# Altium PCB MODULE_2x1G_DUAL_MEDIA_V1.0.PcbDoc (part 2 of 3)
Units mm, origin at the board's own origin, x right, y up, seen from the top; angles counter-clockwise.
Board outline 87.3 x 95.5 mm, 4 copper layers (Top Layer, Int1 (GND), Int2 (PWR), Bottom Layer), stack 1.369 mm thick; 176 components, 128 nets, 819 pads, 303 vias.
Unrouted connection lines stored in the file: 38.
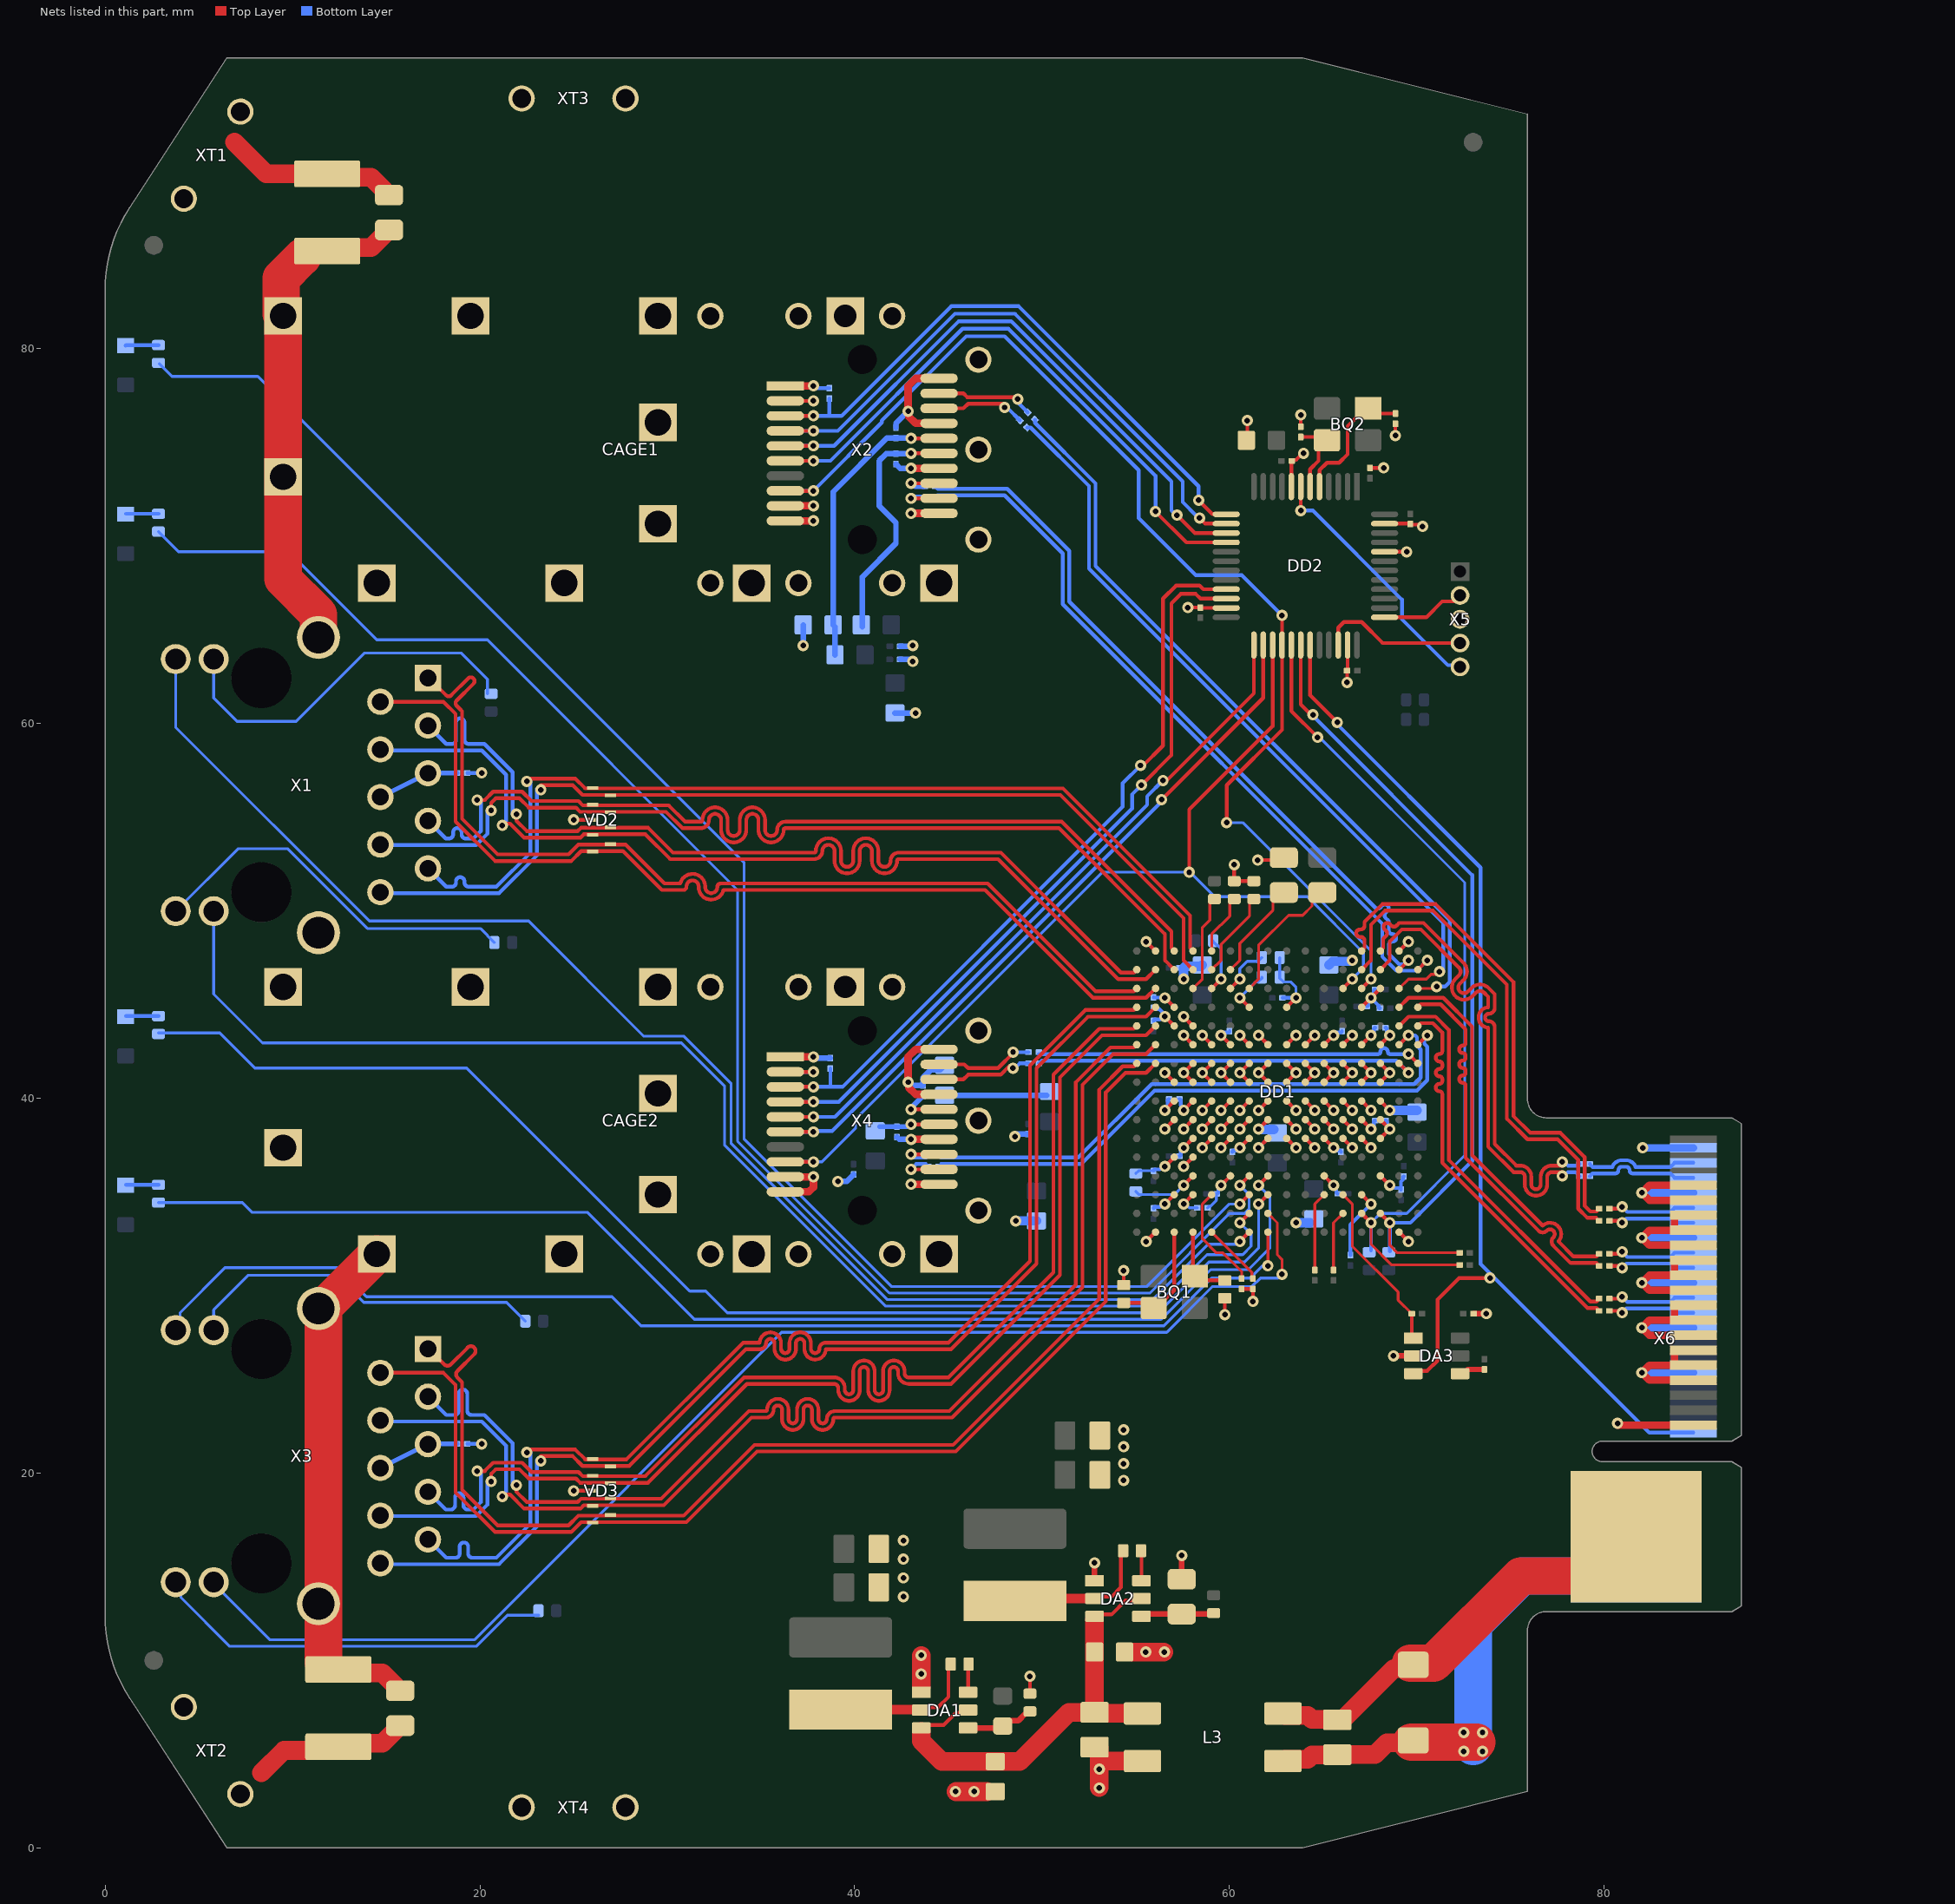
[diagram p4: the nets of this part, all layers, seen from the top]

## Via types
v1: diameter 0.6, hole 0.3, Top Layer to Bottom Layer, tented both sides, 303 vias

## Nets (pads, with @x,y where several pads share a name; then routed paths per layer and width w, separated by ;. In a path a pad name is that pad's centre, name@x,y a point inside that pad or via, vN(x,y) a via of type N, cw(c..) or ccw(c..) an arc to the next point about the centre after c; other vN are vias at no path point) (continued)
GND: C1.2 C2.2 C6.2 C7.2 C8.1 C9.2 C10.2 C11.2 C12.2 C13.2 C14.1 C15.2 C16.2 C17.1 C18.1 C19.1 C20.2 C21.2 C22.1 C23.1 C24.1 C25.2 C26.1 C27.1 C28.1 C29.2 C30.2 C31.1 C32.1 C33.1 C34.2 C35.2 C40.1 C41.2 C42.2 C43.2 C44.2 C46.1 C47.1 C52.1 C53.2 C54.2 C55.2 C56.2 C58.1 C59.1 C60.2 C61.1 C62.1 C63.2 C64.1 C65.1 C66.2 C67.2 C68.1 C69.2 C70.2 C71.2 DA1.1 DA2.1 DA3.2 DD1.B1 DD1.B16 DD1.C3 DD1.C5 DD1.C12 DD1.D5 DD1.D6 DD1.D7 DD1.D8 DD1.D9 DD1.D10 DD1.D11 DD1.D12 DD1.E6 DD1.E7 DD1.E8 DD1.E9 DD1.E10 DD1.E11 DD1.F4 DD1.F6 DD1.F7 DD1.F8 DD1.F9 DD1.F10 DD1.F11 DD1.G6 DD1.G7 DD1.G8 DD1.G9 DD1.G10 DD1.G11 DD1.H6 DD1.H7 DD1.H8 DD1.H9 DD1.H10 DD1.H11 DD1.J6 DD1.J7 DD1.J8 DD1.J9 DD1.J10 DD1.J11 DD1.J13 DD1.K6 DD1.K7 DD1.K8 DD1.K9 DD1.K10 DD1.K11 DD1.L4 DD1.L6 DD1.L7 DD1.L8 DD1.L9 DD1.L10 DD1.L11 DD1.M6 DD1.M7 DD1.M8 DD1.M9 DD1.M10 DD1.M11 DD1.N6 DD1.N7 DD1.N8 DD1.N9 DD1.N10 DD1.N11 DD1.N13 DD1.P4 DD1.P14 DD1.R1 DD1.R16 DD2.8 DD2.23 DD2.35 DD2.44 DD2.47 L3.4 R2.2 R4.2 R10.2 R25.2 R35.1 R37.1 R38.1 R43.1 R44.1 R45.1 R52.1 R54.2 VD2.3 VD3.3 X2.1 X2.9 X2.10 X2.11 X2.14 X2.17 X2.20 X4.1 X4.9 X4.10 X4.11 X4.14 X4.17 X4.20 X5.3 X6.1 X6.7 X6.9 X6.10 X6.11 X6.13 X6.15 X6.16 X6.17 X6.19 X6.21 X6.22 X6.23 X6.25 X6.27 X6.28 X6.29 X6.31 X6.33 X6.34 X6.40 | length 206.3
  Top Layer w0.2: v1(25,19.05) VD3.3@26.025,19.05 ; v1(25,54.85) VD2.3@26.025,54.85 ; R2.2@49.35,8.225 v1(49.35,9.15) ; C62.1@54.35,30.025 v1(54.35,30.8) ; v1(55.55,32.35) DD1.B1@56.05,32.85 ; v1(55.55,48.35) DD1.B16@56.05,47.85 ; v1(56.55,34.35) DD1.C3@57.05,34.85 ; v1(56.55,36.35) DD1.C5@57.05,36.85 ; v1(56.55,44.35) DD1.C12@57.05,43.85 ; v1(57.55,36.35) DD1.D5@58.05,36.85 ; v1(57.55,37.35) DD1.D6@58.05,37.85 ; v1(57.55,38.35) DD1.D7@58.05,38.85 ; v1(57.55,39.35) DD1.D8@58.05,39.85 ; v1(57.55,43.35) DD1.D11@58.05,42.85 ; v1(57.55,44.35) DD1.D12@58.05,43.85 ; v1(57.775,66.175) C69.2@58.45,66.175 ; DD1.D9@58.05,40.85 v1(57.55,41.35) DD1.D10@58.05,41.85 ; C69.2@58.475,66.15 DD2.23@59.825,66.15 ; v1(58.55,37.35) DD1.E6@59.05,37.85 ; v1(58.55,38.35) DD1.E7@59.05,38.85 ; v1(58.55,39.35) DD1.E8@59.05,39.85 ; v1(58.55,43.35) DD1.E11@59.05,42.85 ; DD1.E9@59.05,40.85 v1(58.55,41.35) DD1.E10@59.05,41.85 ; v1(59.55,35.35) DD1.F4@60.05,35.85 ; v1(59.55,37.35) DD1.F6@60.05,37.85 ; v1(59.55,38.35) DD1.F7@60.05,38.85 ; v1(59.55,39.35) DD1.F8@60.05,39.85 ; v1(59.55,43.35) DD1.F11@60.05,42.85 ; v1(59.75,28.45) C61.1@59.75,29.325 ; DD1.F9@60.05,40.85 v1(59.55,41.35) DD1.F10@60.05,41.85 ; v1(60.25,52.45) R44.1@60.25,51.575 R43.1@61.3,51.575 ; v1(60.55,37.35) DD1.G6@61.05,37.85 ; v1(60.55,38.35) DD1.G7@61.05,38.85 ; v1(60.55,39.35) DD1.G8@61.05,39.85 ; v1(60.55,43.35) DD1.G11@61.05,42.85 ; R52.1@60.65,29.825 R45.1@61.25,29.825 v1(61.25,29.15) ; C68.1@60.95,75.05 v1(60.95,76.15) ; DD1.G9@61.05,40.85 v1(60.55,41.35) DD1.G10@61.05,41.85 ; v1(61.5,52.7) 62.77,52.7 R38.1@62.9,52.83 ; v1(61.55,37.35) DD1.H6@62.05,37.85 ; v1(61.55,38.35) DD1.H7@62.05,38.85 ; v1(61.55,39.35) DD1.H8@62.05,39.85 ; v1(61.55,43.35) DD1.H11@62.05,42.85 ; DD1.H9@62.05,40.85 v1(61.55,41.35) DD1.H10@62.05,41.85 ; DD1.J6@63.05,37.85 v1(63.55,37.35) ; DD1.J7@63.05,38.85 v1(63.55,38.35) ; DD1.J8@63.05,39.85 v1(63.55,39.35) ; DD1.J9@63.05,40.85 v1(63.55,41.35) DD1.J10@63.05,41.85 ; DD1.J11@63.05,42.85 v1(63.55,43.35) ; DD1.J13@63.05,44.85 v1(63.55,45.35) ; DD2.8@63.3,72.625 C66.2@63.3,73.975 ; C66.2@63.325,74 63.375,74.05 63.55,74.05 v1@63.925,74.425 ; C65.1@63.8,75.825 v1(63.8,76.45) ; DD1.K6@64.05,37.85 v1(64.55,37.35) ; DD1.K7@64.05,38.85 v1(64.55,38.35) ; DD1.K8@64.05,39.85 v1(64.55,39.35) ; DD1.K9@64.05,40.85 v1(64.55,41.35) DD1.K10@64.05,41.85 ; DD1.K11@64.05,42.85 v1(64.55,43.35) ; DD1.L4@65.05,35.85 v1(65.55,35.35) ; DD1.L6@65.05,37.85 v1(65.55,37.35) ; DD1.L7@65.05,38.85 v1(65.55,38.35) ; DD1.L8@65.05,39.85 v1(65.55,39.35) ; DD1.L9@65.05,40.85 v1(65.55,41.35) DD1.L10@65.05,41.85 ; DD1.L11@65.05,42.85 v1(65.55,43.35) ; DD1.M6@66.05,37.85 v1(66.55,37.35) ; DD1.M7@66.05,38.85 v1(66.55,38.35) ; DD1.M8@66.05,39.85 v1(66.55,39.35) ; DD1.M9@66.05,40.85 v1(66.55,41.35) DD1.M10@66.05,41.85 ; DD1.M11@66.05,42.85 v1(66.55,43.35) ; v1(66.275,62.175) C70.2@66.275,62.8 ; C70.2@66.3,62.825 DD2.35@66.3,64.175 ; DD1.N6@67.05,37.85 v1(67.55,37.35) ; DD1.N7@67.05,38.85 v1(67.55,38.35) ; DD1.N8@67.05,39.85 v1(67.55,39.35) ; DD1.N9@67.05,40.85 v1(67.55,41.35) DD1.N10@67.05,41.85 ; DD1.N11@67.05,42.85 v1(67.55,43.35) ; DD1.N13@67.05,44.85 v1(67.55,45.35) DD1.P14@68.05,45.85 ; C67.2@67.5,73.625 v1(68.225,73.625) ; DD1.P4@68.05,35.85 v1(68.55,35.35) ; DD2.44@68.275,69.15 v1(69.45,69.15) ; DD2.47@68.275,70.65 C71.2@69.625,70.65 ; v1(68.85,75.35) C64.1@68.85,75.975 ; DD1.R1@69.05,32.85 v1(69.55,32.35) ; DD1.R16@69.05,47.85 v1(69.55,48.35) ; C71.2@69.65,70.625 69.675,70.6 70.2,70.6 v1(70.3,70.5)
  Top Layer w0.3: DA2.1@52.8,14.25 v1(52.8,15.2) ; R4.2@57.45,14.33 v1(57.45,15.6) ; v1(68.75,26.25) DA3.2@69.8,26.25 ; C60.2@73.025,28.5 v1(73.7,28.5)
  Top Layer w0.4: X4.10@36.3,35 37.55,35 37.8,35.25 v1(37.8,35.8) X4.9@36.3,35.8 ; X4.1@36.3,42.2 v1(37.8,42.2) ; X2.10@36.3,70.8 v1(37.8,70.8) ; X2.9@36.3,71.6 v1(37.8,71.6) ; X2.1@36.3,78 v1(37.8,78) ; v1(43,35.4) X4.11@44.5,35.4 ; v1(43,37.8) X4.14@44.5,37.8 ; v1(43,71.2) X2.11@44.5,71.2 ; v1(43,73.6) X2.14@44.5,73.6 ; X4.17@44.5,40.2 43.25,40.2 42.888,40.562 42.888,40.812 v1(42.85,40.85) 42.85,42.2 43.25,42.6 X4.20@44.5,42.6 ; X2.17@44.5,76 43.25,76 42.888,76.362 42.888,76.612 v1(42.85,76.65) 42.85,78 43.25,78.4 X2.20@44.5,78.4 ; v1@80.7,22.55 X6.1@84.75,22.55 ; X6.11@83.75,26.55 X6.9@83.75,25.75 ; X6.17@83.75,28.95 X6.15@83.75,28.15 ; X6.23@83.75,31.35 X6.21@83.75,30.55 ; X6.29@83.75,33.75 X6.27@83.75,32.95 ; X6.7@84.75,24.95 82.4,24.95 v1(82,25.35) 82.4,25.75 X6.9@83.75,25.75 ; X6.9@84.75,25.75 X6.9@83.75,25.75 ; X6.13@84.75,27.35 82.4,27.35 v1(82,27.75) 82.4,28.15 X6.15@83.75,28.15 ; X6.15@84.75,28.15 X6.15@83.75,28.15 ; X6.19@84.75,29.75 82.4,29.75 v1(82,30.15) 82.4,30.55 X6.21@83.75,30.55 ; X6.21@84.75,30.55 X6.21@83.75,30.55 ; X6.25@84.75,32.15 82.4,32.15 v1(82,32.55) 82.4,32.95 X6.27@83.75,32.95 ; X6.27@84.75,32.95 X6.27@83.75,32.95 ; X6.31@84.75,34.55 82.4,34.55 v1(82,34.95) 82.4,35.35 X6.33@84.75,35.35
  Top Layer w1: DA1.1@43.55,8.6 v1(43.55,9.275) v1@43.55,10.25 ; v1@45.4,3 v1(46.375,3) C1.2@47.05,3 ; C8.1@52.8,5.37 53,5.37 53.05,5.32 53.05,4.63 ; v1@53.05,3.22 v1(53.05,4.195) 53.05,4.63 ; C2.2@54.85,10.45 v1(55.525,10.45) v1@56.5,10.45 ; L3.4@55.35,4.63 53.05,4.63
  Bottom Layer w0.15: R54.2@55,35.975 55.15,36.125 C28.1@55.95,36.125 ; C63.2@58.825,34.15 58.9,34.225 58.975,34.225 59.3,34.55 59.3,34.875 C34.2@59.325,34.9 ; R37.1@62.675,47.5 R35.1@62.675,46.45 62.675,46.399 62.872,46.202 62.923,46.202 62.925,46.2 63.25,46.2 63.55,45.9 v1(63.55,45.35)
  Bottom Layer w0.2: C59.1@19.325,21.55 v1(20.1,21.55) ; C47.1@19.325,57.35 v1(20.1,57.35) ; v1(37.8,78) 37.908,78 38.033,77.875 R10.2@38.65,77.875 ; C33.1@55.95,34.125 55.95,34.15 56,34.2 56.025,34.2 56.292,34.2 56.442,34.35 v1(56.55,34.35) ; C28.1@55.95,36.125 55.95,36.15 56,36.2 56.025,36.2 56.292,36.2 56.442,36.35 v1(56.55,36.35) ; C19.1@55.95,44.125 55.95,44.15 56,44.2 56.025,44.2 56.292,44.2 56.442,44.35 v1(56.55,44.35) ; C16.2@55.95,44.825 55.95,44.8 56,44.75 56.25,44.75 v1@56.55,44.45 ; C24.1@57.325,36.9 57.35,36.9 57.4,36.95 57.4,36.975 57.4,37.242 57.529,37.371 57.55,37.392 v1@57.55,37.5 ; C21.2@57.325,39.95 57.35,39.95 57.4,39.9 57.4,39.875 57.4,39.608 57.55,39.458 v1@57.55,39.35 ; C34.2@59.325,34.9 59.35,34.9 59.4,34.95 59.4,34.975 59.4,35.242 59.529,35.371 59.55,35.392 v1@59.55,35.5 ; v1@59.4,43.35 59.508,43.35 59.529,43.371 59.658,43.5 59.925,43.5 59.95,43.5 60,43.55 C31.1@60,43.575 ; C26.1@60.15,37.125 60.15,37.15 60.2,37.2 60.225,37.2 60.492,37.2 60.596,37.304 60.642,37.35 v1@60.75,37.35 ; C29.2@62.825,45.35 v1(63.55,45.35) ; v1@65.35,37.35 65.458,37.35 65.504,37.304 65.608,37.2 65.875,37.2 65.9,37.2 65.95,37.15 C22.1@65.95,37.125 ; v1@65.4,43.35 65.508,43.35 65.529,43.371 65.658,43.5 C17.1@65.925,43.5 ; v1(65.55,35.35) 65.55,35.242 65.7,35.092 65.7,34.95 65.75,34.9 C30.2@65.775,34.9 ; C17.1@65.925,43.5 65.95,43.5 66,43.55 C17.1@66,43.575 ; C25.2@67.325,44.9 67.35,44.9 67.4,44.95 67.4,44.975 67.4,45.242 v1@67.529,45.371 ; v1@67.55,38.2 67.55,38.308 67.571,38.329 67.7,38.458 67.7,38.725 67.7,38.75 67.75,38.8 C11.2@67.775,38.8 ; v1@67.55,43.15 67.55,43.258 67.596,43.304 67.7,43.408 67.7,43.675 67.7,43.7 67.75,43.75 C13.2@67.775,43.75 ; v1@67.55,45.2 67.55,45.308 v1@67.571,45.329 ; v1@67.55,45.5 67.55,45.392 v1@67.529,45.371 ; C12.2@67.775,45.8 67.75,45.8 67.7,45.75 67.7,45.725 67.7,45.458 v1@67.571,45.329 ; C15.2@68.025,44.8 68,44.8 67.95,44.85 67.95,44.95 v1@67.571,45.329 ; v1(68.55,35.35) 68.658,35.35 68.808,35.2 C35.2@69.1,35.2 ; C35.2@69.15,35.125 69.15,35.15 C35.2@69.1,35.2 ; C20.2@69.3,35.825 69.25,35.775 69.25,35.65 69.15,35.55 69.15,35.2 C35.2@69.1,35.2 ; v1@67.529,45.371 v1(67.55,45.35) v1@67.571,45.329
  Bottom Layer w0.3: v1(37.25,64.15) C46.1@37.25,65.25 ; v1@37.881,42.2 37.956,42.125 R25.2@38.7,42.125 ; v1(39.1,35.55) 39.575,35.55 39.925,35.9 39.95,35.9 C53.2@39.95,35.925 ; C40.1@42.15,60.55 v1(43.25,60.55) ; C43.2@42.2,73.825 42.2,73.8 42.225,73.8 42.425,73.6 v1(43,73.6) ; C44.2@42.2,75.775 42.2,76 v1(42.85,76.65) ; C55.2@42.25,37.925 42.25,37.9 42.275,37.9 42.375,37.8 43.05,37.8 v1@43.1,37.75 ; C42.2@42.425,63.4 43.05,63.4 v1@43.1,63.35 ; C41.2@42.425,64.1 43.05,64.1 v1(43.1,64.15) ; v1(42.85,40.85) 42.931,40.85 43.106,40.675 C56.2@43.65,40.675 43.65,41.1 44.05,41.5 44.55,41.5 C58.1@44.8,41.75 ; v1@48.55,38 48.625,38.075 C54.2@49.25,38.075
  Bottom Layer w0.4: v1(82,25.35) X6.10@84.75,25.35 ; v1(82,27.75) X6.16@84.75,27.75 ; v1(82,30.15) X6.22@84.75,30.15 ; v1(82,32.55) X6.28@84.75,32.55 ; v1(82,34.95) X6.34@84.75,34.95 ; v1(82.05,37.35) X6.40@84.75,37.35
  Bottom Layer w0.5: v1(48.6,33.45) C52.1@49.7,33.45 ; v1(57.55,46.35) 57.55,46.941 57.641,47.032 58.482,47.032 C27.1@58.55,47.1 ; v1(61.55,38.35) 61.569,38.331 C18.1@62.369,38.331 ; v1(63.55,33.35) C23.1@64.3,33.35 ; C32.1@65.3,47.1 65.5,47.3 66.5,47.3 v1(66.55,47.35)
  other v1: 45.375,3 53.05,3.195 43.55,10.275 56.525,10.45 42.6,13.4 42.6,14.4 42.6,15.4 42.6,16.4 54.35,19.6 54.35,20.5 54.35,21.4 54.35,22.3 80.7,22.65 48.55,37.95 43.1,63.3 63.95,74.4
MDC: DD1.P2 DD2.30 R41.2 R53.1 | length 44.4
  Top Layer w0.15: v1(68.55,33.35) 68.55,32.15 68.95,31.75 R41.2@72.275,31.75
  Top Layer w0.2: DD2.30@63.8,64.175 63.8,61 v1@64.375,60.425 ; DD1.P2@68.05,33.85 v1(68.55,33.35)
  Bottom Layer w0.2: v1(64.45,60.45) 64.45,60.4 72.95,51.9 72.95,36.65 69.65,33.35 v1(68.55,33.35) R53.1@68.55,31.825
MDIO: DD1.N2 DD2.29 R42.2 R49.1 | length 46.1
  Top Layer w0.15: v1(67.55,33.35) 67.55,32.2 68.65,31.1 R42.2@72.275,31.1
  Top Layer w0.2: DD2.29@63.3,64.175 63.3,60.65 v1(64.7,59.25) ; DD1.N2@67.05,33.85 v1(67.55,33.35)
  Bottom Layer w0.15: v1(64.7,59.25) 64.8,59.25 72.55,51.5 72.55,36.95 69.45,33.85 68.05,33.85 v1(67.55,33.35)
  Bottom Layer w0.2: R49.1@67.55,31.875 v1(67.55,33.35)
NetBQ1_1: BQ1.1 C61.2 DD1.D1 | length 3.6
  Top Layer w0.2: BQ1.1@58.05,30.6 DD1.D1@58.05,32.85 ; BQ1.1@58.375,30.275 C61.2@59.75,30.275
NetBQ1_3: BQ1.3 C62.2 DD1.C1 | length 5.8
  Top Layer w0.2: C62.2@54.35,29.075 BQ1.3@55.675,29.075 ; BQ1.3@56.091,28.8 56.616,29.325 56.625,29.325 57.05,29.75 DD1.C1@57.05,32.85
NetBQ2_1: BQ2.1 C64.2 DD2.5 | length 6.9
  Top Layer w0.2: DD2.5@64.8,72.625 64.8,73.5 65.2,73.9 65.85,73.9 66.3,74.35 66.3,75.85 66.75,76.3 66.9,76.3 BQ2.1@67.4,76.8 ; BQ2.1@67.675,76.525 C64.2@68.85,76.525
NetBQ2_3: BQ2.3 C65.2 DD2.6 | length 4.1
  Top Layer w0.2: C65.2@63.8,75.275 BQ2.3@65.025,75.275 ; DD2.6@64.3,72.625 64.3,73.55 64.75,74 64.75,74.65 BQ2.3@65.2,75.1
NetC1_1: C1.1 C2.1 C8.2 DA1.3 DA1.5 DA2.3 DA2.5 L3.3 | length 24.4
  Top Layer w0.2: DA1.3@43.55,6.4 43.7,6.55 44.75,6.55 45.41,7.21 45.91,7.21 DA1.5@46.05,7.35 ; DA2.3@52.8,12.35 52.9,12.45 53.7,12.45 54.45,13.2 55.2,13.2 DA2.5@55.3,13.3
  Top Layer w1: DA1.3@43.55,6.2 43.55,5.7 44.65,4.6 C1.1@47.5,4.6 48.8,4.6 51.43,7.23 C8.2@52.8,7.23 C2.1@52.8,10.45 DA2.3@52.8,12.15 ; C8.2@53,7.23 53.06,7.17 L3.3@55.35,7.17
NetC3_1: C3.1 DA1.2 L1.1 | length 7.7
  Top Layer w0.2: DA1.2@43.55,7.35 43.7,7.5 44.45,7.5 45,8.05 C3.1@45,9.675
  Top Layer w0.5: L1.1@39.25,7.375 43.525,7.375 DA1.2@43.55,7.35
NetC3_2: C3.2 DA1.6 | length 1.5
  Top Layer w0.2: DA1.6@46.05,8.3 46.05,9.775 C3.2@46.075,9.8
NetC4_1: C4.1 DA2.2 L2.1 | length 7.8
  Top Layer w0.2: DA2.2@52.8,13.3 52.9,13.4 53.7,13.4 54.2,13.9 54.2,15.725 C4.1@54.325,15.85
  Top Layer w0.5: L2.1@48.675,13.3 DA2.2@52.8,13.3
NetC4_2: C4.2 DA2.6 | length 1.6
  Top Layer w0.2: DA2.6@55.3,14.25 C4.2@55.3,15.825
NetC43_1: C43.1 L5.2 X2.15 | length 13.3
  Top Layer w0.2: v1(43,74.4) X2.15@44.5,74.4
  Bottom Layer w0.3: L5.2@40.4,65.15 40.4,67.8 42.2,69.6 42.2,70.7 41.3,71.6 41.3,74 41.675,74.375 C43.1@42.2,74.375 v1@42.975,74.375
NetC44_1: C44.1 C46.2 L6.2 X2.16 | length 15.6
  Top Layer w0.2: v1(43,75.2) X2.16@44.5,75.2
  Bottom Layer w0.3: L6.2@38.95,63.65 38.95,65.15 C46.2@38.85,65.25 38.85,72.35 41.725,75.225 C44.1@42.2,75.225 v1@42.975,75.225
NetC47_2: C47.2 X1.5 X1.6 | length 4.4
  Bottom Layer w0.25: X1.6@14.69,56.065 X1.5@17.227,57.341 ; X1.5@17.245,57.35 C47.2@18.775,57.35
NetC55_1: C55.1 L7.2 X4.15 | length 3.2
  Top Layer w0.2: v1(43,38.6) X4.15@44.5,38.6
  Bottom Layer w0.25: L7.2@41.325,38.475 C55.1@42.25,38.475 42.78,38.475 42.905,38.6 v1(43,38.6)
NetC56_1: C56.1 C58.2 L8.2 X4.16 | length 8.7
  Top Layer w0.2: v1(43,39.4) X4.16@44.5,39.4
  Bottom Layer w0.3: v1(43,39.4) 43,39.475 43.625,40.1 43.65,40.1 C56.1@43.65,40.125 C58.2@44.775,40.125 ; C58.2@45.15,40.15 L8.2@50.25,40.15
NetC59_2: C59.2 X3.5 X3.6 | length 4.4
  Bottom Layer w0.25: X3.6@14.69,20.265 17.227,21.541 17.245,21.55 C59.2@18.775,21.55
NetC63_1: C63.1 DD1.D3 | length 1.5
  Top Layer w0.2: v1(57.55,34.35) DD1.D3@58.05,34.85
  Bottom Layer w0.15: v1(57.55,34.35) 57.663,34.35 57.863,34.15 C63.1@58.275,34.15
NetDA1_4: DA1.4 R1.1 R2.1 | length 3.7
  Top Layer w0.3: DA1.4@46.05,6.4 47.8,6.4 R1.1@47.9,6.5 48.176,6.776 48.726,6.776 49.1,7.15 49.225,7.15 R2.1@49.35,7.275
NetDA2_4: DA2.4 R3.1 R4.1 | length 4.1
  Top Layer w0.3: DA2.4@55.3,12.35 55.425,12.475 R3.1@59.3,12.475
NetDA3_4: DA3.4 R48.2 | length 1.4
  Top Layer w0.3: DA3.4@72.3,25.3 72.5,25.3 72.725,25.525 R48.2@73.6,25.525
NetDD1_D4: DD1.D4 R54.1 | length 3.5
  Top Layer w0.2: v1(57.55,35.35) DD1.D4@58.05,35.85
  Bottom Layer w0.15: R54.1@55,35.025 55.175,34.85 57.05,34.85 v1(57.55,35.35)
NetDD1_D14: DD1.D14 R40.2 | length 5.1
  Top Layer w0.15: DD1.D14@58.05,45.85 58.55,46.35 58.55,49.1 58.95,49.5 58.95,50.4 R40.2@59.1,50.55
NetDD1_E1: DD1.E1 R45.2 | length 3.4
  Top Layer w0.15: DD1.E1@59.05,32.85 61.2,30.7 61.2,30.425 R45.2@61.25,30.375
NetDD1_E3: DD1.E3 R52.2 | length 5.8
  Top Layer w0.15: DD1.E3@59.05,34.85 58.55,34.35 58.55,32.5 59.3,31.75 59.65,31.75 60.65,30.75 R52.2@60.65,30.375
NetDD1_E14: DD1.E14 R39.2 | length 3
  Top Layer w0.2: DD1.E14@59.05,45.85 v1(59.55,46.35)
  Bottom Layer w0.15: R39.2@59.125,48.4 59.125,48.349 59.322,48.152 59.373,48.152 59.55,47.975 v1(59.55,46.35)
NetDD1_E15: DD1.E15 R43.2 | length 4.5
  Top Layer w0.15: DD1.E15@59.05,46.85 59.55,47.35 59.55,48.2 61.065,49.715 61.065,50.39 R43.2@61.163,50.488
NetDD1_E16: DD1.E16 R44.2 | length 3.3
  Top Layer w0.15: DD1.E16@59.05,47.85 59.05,48.75 60.015,49.715 60.015,50.39 R44.2@60.25,50.625
NetDD1_F14: DD1.F14 R37.2 | length 2.7
  Top Layer w0.2: DD1.F14@60.05,45.85 v1(60.55,46.35)
  Bottom Layer w0.15: v1(60.55,46.35) 60.55,46.9 60.95,47.3 61.528,47.3 61.725,47.497 R37.2@61.725,47.5
NetDD1_F15: DD1.F15 R38.2 | length 5.1
  Top Layer w0.15: DD1.F15@60.05,46.85 60.55,47.35 60.55,48.25 62.315,50.015 R38.2@62.315,51.015
NetDD1_G13: DD1.G13 R35.2 | length 2.4
  Top Layer w0.2: v1(60.55,45.35) DD1.G13@61.05,44.85
  Bottom Layer w0.15: v1(60.55,45.35) 61.402,46.202 61.528,46.202 61.725,46.399 R35.2@61.725,46.45
NetDD1_G14: DD1.G14 R36.2 | length 6.9
  Top Layer w0.15: DD1.G14@61.05,45.85 61.55,46.35 61.55,48.15 63.15,49.75 63.9,49.75 64.4,50.25 R36.2@64.4,50.95
NetDD1_L3: DD1.L3 R46.2 | length 4.2
  Top Layer w0.15: R46.2@64.55,30.825 64.55,34.35 DD1.L3@65.05,34.85
NetDD1_M2: DD1.M2 R50.2 | length 3.2
  Top Layer w0.15: R50.2@65.55,30.825 65.55,33.35 DD1.M2@66.05,33.85
NetDD1_N3: DD1.N3 R51.2 | length 3.9
  Top Layer w0.2: DD1.N3@67.05,34.85 v1(67.55,34.35)
  Bottom Layer w0.2: R51.2@66.45,31.625 66.45,33.25 v1(67.55,34.35)
NetDD2_7: DD2.7 X5.5 | length 13.8
  Top Layer w0.2: v1(63.8,71.35) DD2.7@63.8,72.625
  Bottom Layer w0.2: v1(63.8,71.35) 64.45,71.35 69.2,66.6 69.2,65.55 71.654,63.096 72.214,63.096 X5.5@72.3,63.01
NetDD2_34: DD2.34 X5.4 | length 8
  Top Layer w0.2: DD2.34@65.8,64.175 65.8,65.1 66.1,65.4 67.05,65.4 68.17,64.28 X5.4@72.3,64.28
NetDD2_37: DD2.37 X5.2 | length 4.5
  Top Layer w0.2: DD2.37@68.275,65.65 70.5,65.65 71.35,66.5 71.98,66.5 X5.2@72.3,66.82
NetHL1_C: HL1.C R5.2 | length 1.8
  Bottom Layer w0.2: HL1.C@1.1,80.15 1.125,80.175 R5.2@2.85,80.175
NetHL2_C: HL2.C R6.2 | length 1.7
  Bottom Layer w0.2: HL2.C@1.125,71.175 R6.2@2.85,71.175
NetHL3_C: HL3.C R20.2 | length 1.7
  Bottom Layer w0.2: HL3.C@1.125,44.375 R20.2@2.85,44.375
NetHL4_C: HL4.C R21.2 | length 1.7
  Bottom Layer w0.2: HL4.C@1.125,35.375 R21.2@2.85,35.375
NetR11_1: R11.1 X2.2 | length 2.7
  Top Layer w0.2: X2.2@36.3,77.2 v1(37.8,77.2)
  Bottom Layer w0.2: R11.1@36.775,77.2 v1(37.8,77.2) v1@37.925,77.325
NetR13_2: R13.2 X2.13 | length 2.2
  Top Layer w0.2: v1(43,72.8) X2.13@44.5,72.8
  Bottom Layer w0.2: v1@43.108,72.8 v1@43.208,72.7 ; v1@43.208,72.6 R13.2@43.745,72.6
NetR14_2: R14.2 X2.12 | length 2.2
  Top Layer w0.2: v1(43,72) X2.12@44.5,72
  Bottom Layer w0.2: v1@43.05,72.1 R14.2@43.745,72.1
NetR15_2: R15.2 X2.18 | length 4.7
  Top Layer w0.2: X2.18@44.5,76.8 45.8,76.8 46.05,77.05 v1@48,77.05
  Bottom Layer w0.199: v1(48,76.85) 48.077,76.773 48.197,76.773 R15.2@48.808,76.163
NetR16_2: R16.2 X2.19 | length 5
  Top Layer w0.2: X2.19@44.5,77.6 45.8,77.6 46,77.4 v1@48.55,77.4
  Bottom Layer w0.199: v1@48.777,77.223 48.777,77.043 R16.2@49.232,76.587
  other v1: 48.7,77.3
NetR18_2: R18.2 X1.11 | length 20.1
  Bottom Layer w0.15: X1.11@5.8,63.425 5.8,61.35 7.05,60.1 10.2,60.1 13.85,63.75 19,63.75 20.4,62.35 R18.2@20.4,61.575
NetR19_2: R19.2 X1.14 | length 20.5
  Bottom Layer w0.15: X1.14@3.77,49.975 7.095,53.3 9.75,53.3 14,49.05 20.025,49.05 R19.2@20.775,48.3
NetR26_1: R26.1 X4.2 | length 2.3
  Top Layer w0.2: X4.2@36.3,41.4 v1(37.8,41.4)
  Bottom Layer w0.2: R26.1@36.975,41.4 v1(37.8,41.4)
NetR28_2: R28.2 X4.13 | length 2.5
  Top Layer w0.2: v1(43,37) X4.13@44.5,37
  Bottom Layer w0.2: v1(43,37) 43.17,36.83 43.805,36.83 R28.2@43.925,36.95
NetR29_2: R29.2 X4.12 | length 2.6
  Top Layer w0.2: v1(43,36.2) X4.12@44.5,36.2
  Bottom Layer w0.2: v1(43,36.2) 43.281,36.481 43.794,36.481 R29.2@43.925,36.35
NetR30_2: R30.2 X4.18 | length 5.3
  Top Layer w0.2: X4.18@44.5,41 45.8,41 46.05,41.25 47.795,41.25 48.245,41.7 v1@48.45,41.7
  Bottom Layer w0.2: v1@48.35,41.5 48.45,41.5 48.8,41.85 R30.2@49.275,41.85
  other v1: 48.45,41.6
NetR31_2: R31.2 X4.19 | length 5.2
  Top Layer w0.2: X4.19@44.5,41.8 45.85,41.8 46.05,41.6 47.65,41.6 v1@48.475,42.425
  Bottom Layer w0.2: v1(48.45,42.45) R31.2@49.275,42.45
NetR33_2: R33.2 X3.11 | length 19.5
  Bottom Layer w0.15: X3.11@5.8,27.625 5.8,28.7 7.65,30.55 12.35,30.55 13.8,29.1 21.425,29.1 R33.2@22.425,28.1
NetR34_2: R34.2 X3.14 | length 21.8
  Bottom Layer w0.15: X3.14@3.77,14.175 4.047,13.898 4.047,13.353 6.65,10.75 19.8,10.75 21.465,12.415 R34.2@23.15,12.415
P0_SFP_CTRL_ENA: DD2.13 R10.1 X2.3 | length 31.9
  Top Layer w0.2: X2.3@36.3,76.4 v1(37.8,76.4) ; v1(58.35,71.9) 59.081,71.169 59.806,71.169 DD2.13@59.825,71.15
  Bottom Layer w0.2: v1(37.8,76.4) 39.3,76.4 45.15,82.25 48.75,82.25 58.35,72.65 v1(58.35,71.9) ; 38.65,76.45 R10.1@38.65,77.325
P0_SFP_CTRL_PRES: DD2.16 R9.1 X2.6 | length 33.3
  Top Layer w0.2: X2.6@36.3,74 v1(37.8,74) ; v1(56.05,71.3) 57.7,69.65 DD2.16@59.825,69.65
  Bottom Layer w0.2: R9.1@36.775,74 v1(37.8,74) 38.7,74 45.75,81.05 48.2,81.05 56.05,73.2 v1(56.05,71.3)
P0_SFP_CTRL_SCL: DD2.15 R8.1 X2.5 | length 32.8
  Top Layer w0.2: X2.5@36.3,74.8 v1(37.8,74.8) ; v1(57.2,71.1) 58.15,70.15 DD2.15@59.825,70.15
  Bottom Layer w0.2: R8.1@36.775,74.8 37.8,74.8 38.9,74.8 45.55,81.45 48.35,81.45 56.9,72.9 56.9,71.35 v1@57.1,71.15
P0_SFP_CTRL_SDA: DD2.14 R7.1 X2.4 | length 32.2
  Top Layer w0.2: X2.4@36.3,75.6 v1(37.8,75.6) ; v1(58.4,70.95) 58.7,70.65 DD2.14@59.825,70.65